# KiCad board pcb-rounded.kicad_pcb (continued)
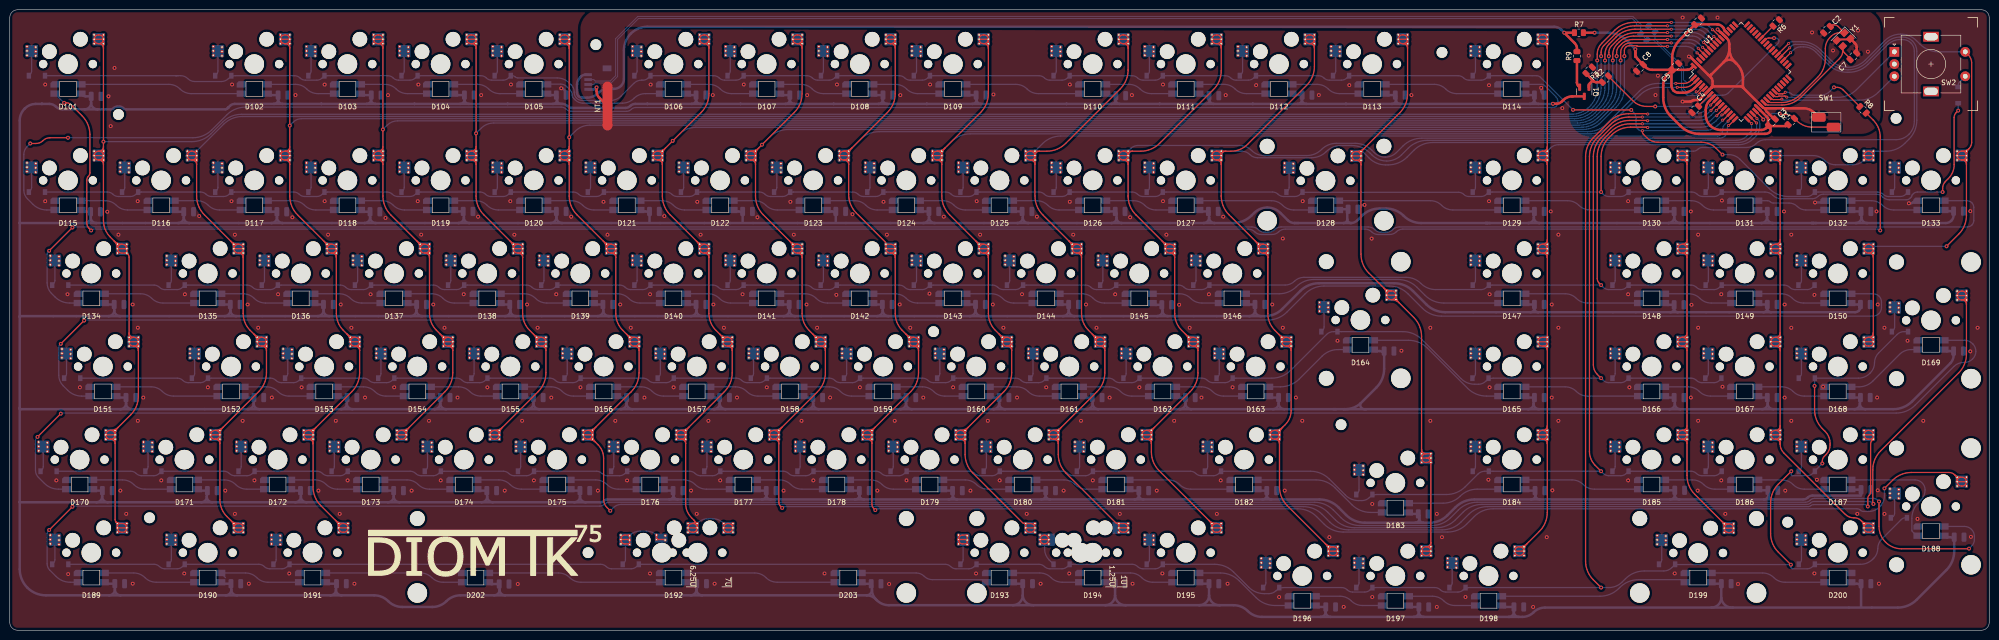
[diagram p0: board, top side]
## Routing (per net, layer and track width the routed paths; a pad name or vN(x,y) marks a point on that pad's centre or on a via; arc(x,y) is an arc through that point) (continued)
  Bottom w0.254: v2(339.8,120.21) 343.42,120.21 arc(344.14,120.07) 344.75,119.66 v2(345.3,119.11) ; MX92.1 140.58,21.89 arc(141.62,22.59) 142.84,22.83 143.72,22.83 arc(144.95,22.59) 145.99,21.89 MX92.1 ; v1(329.44,116.62) 329.42,116.61 arc(329.41,116.59) 329.41,116.57 329.41,111 arc(328.99,108.92) 327.81,107.15 325.19,104.53 arc(323.43,103.35) 321.34,102.94 140.3,102.94 arc(138.49,102.58) 136.96,101.55 v1(135.58,100.17)
COL7: length 614.8
  Top w0.254: U1.61 345.13,118.15 arc(345.11,118.17) 345.09,118.17 v2(345.06,118.17) ; 153.14,98.69 v1(153.83,99.38) 160.44,105.98 arc(161.62,107.75) 162.03,109.83 162.03,119.16 ; 153.14,98.69 arc(152.67,97.98) MX22.1 ; 153.14,98.69 arc(152.44,98.22) 151.61,98.05 ; 156.37,40.9 156.27,40.9 arc(155.63,40.64) MX77.1 ; 156.37,40.9 arc(157.2,41.07) 157.91,41.54 ; 156.37,40.9 arc(157.01,40.64) MX77.1 ; 157.91,41.54 165.2,48.83 arc(166.38,50.6) 166.79,52.68 166.79,57.25 ; 157.91,41.54 arc(157.43,40.83) MX77.1 ; 156.37,39.1 156.27,39.1 arc(155.63,39.36) MX77.1 ; 156.37,39.1 arc(157.01,38.84) 157.27,38.2 ; 156.37,39.1 arc(157.01,39.36) MX77.1 ; 162.03,76.3 162.03,64.84 arc(162.4,62.97) 163.46,61.38 164.26,60.59 ; 162.03,76.3 MX41.1 ; 162.03,76.3 arc(161.77,76.94) 161.13,77.2 ; 161.13,120.06 161.03,120.06 arc(160.39,120.33) MX7.1 ; 161.13,120.06 arc(161.77,120.33) MX7.1 ; 161.13,120.06 arc(161.77,119.8) 162.03,119.16 ; MX7.1 162.03,119.16 ; MX7.1 MX7.1 ; MX7.1 arc(161.77,121.6) 161.13,121.86 161.03,121.86 arc(160.39,121.6) MX7.1 ; 164.26,60.59 arc(164.73,59.88) MX58.1 ; 164.26,60.59 arc(164.96,60.12) 165.79,59.95 ; 151.61,98.05 151.51,98.05 arc(150.87,97.79) MX22.1 ; 151.61,98.05 arc(152.24,97.79) MX22.1 ; 165.79,59.95 165.89,59.95 arc(166.53,59.69) MX58.1 ; 165.79,59.95 arc(165.16,59.69) MX58.1 ; v1(330.2,117.51) 330.2,118.65 arc(330.27,119.03) 330.49,119.35 arc(330.81,119.56) 331.18,119.64 332.65,119.64 arc(332.73,119.62) 332.8,119.58 arc(332.87,119.53) 332.95,119.51 v2(339,119.51) ; v1(379.98,25.34) 379.98,26.96 arc(380.06,27.34) 380.27,27.65 arc(380.48,27.97) 380.56,28.34 380.56,38.16 arc(380.63,38.52) 380.83,38.82 ; MX77.1 MX77.1 ; MX77.1 157.27,38.2 ; MX58.1 166.79,57.25 ; MX58.1 MX58.1 ; MX58.1 arc(166.53,58.41) 165.89,58.15 ; 166.79,57.25 arc(166.53,57.89) 165.89,58.15 ; MX87.1 MX87.1 ; MX87.1 arc(379.47,39.36) 380.11,39.1 380.72,39.1 ; MX87.1 arc(379.47,40.64) 380.11,40.9 380.21,40.9 arc(380.84,40.64) MX87.1 ; MX87.1 381.11,39.49 ; 161.03,79 161.13,79 arc(161.77,78.74) MX41.1 ; 161.03,79 arc(160.2,79.17) 159.49,79.64 ; 161.03,79 arc(160.39,78.74) MX41.1 ; MX41.1 MX41.1 ; MX41.1 arc(161.77,77.46) 161.13,77.2 ; v1(157.96,25.03) 157.61,25.38 arc(157.36,25.76) 157.27,26.21 157.27,38.2 ; 161.13,77.2 161.03,77.2 arc(160.39,77.46) MX41.1 ; 151.61,96.25 151.51,96.25 arc(150.87,96.51) MX22.1 ; 151.61,96.25 arc(152.24,96.51) MX22.1 ; 151.61,96.25 arc(152.24,95.99) 152.51,95.35 ; 380.72,39.1 arc(380.99,39.21) 381.11,39.49 ; 380.72,39.1 arc(380.87,39) 380.83,38.82 ; 165.89,58.15 165.79,58.15 arc(165.16,58.41) MX58.1 ; 381.11,39.49 arc(381.03,39.13) 380.83,38.82 ; MX41.1 arc(159.97,78.93) 159.49,79.64 ; MX22.1 MX22.1 ; MX22.1 152.51,95.35 ; 152.51,95.35 152.51,88.88 arc(152.92,86.8) 154.1,85.03 159.49,79.64
  Bottom w0.254: v1(379.98,25.34) 379.79,25.53 arc(379.58,25.67) 379.33,25.72 368.85,25.72 arc(368.58,25.66) 368.35,25.51 arc(368.12,25.36) 367.85,25.31 302.2,25.31 arc(300.11,24.89) 298.35,23.71 296.77,22.14 arc(295.01,20.96) 292.93,20.54 273.81,20.54 arc(271.73,20.96) 269.96,22.14 268.39,23.71 arc(266.62,24.89) 264.54,25.31 158.42,25.31 arc(158.24,25.27) 158.09,25.17 v1(157.96,25.03) ; v2(339,119.51) 342.77,119.51 arc(343.65,119.34) 344.39,118.84 v2(345.06,118.17) ; v1(153.83,99.38) 155.39,100.93 arc(157.12,102.09) 159.15,102.49 321.69,102.49 arc(323.78,102.91) 325.54,104.09 328.61,107.15 arc(329.79,108.92) 330.2,111 v1(330.2,117.51)
COL8: length 575.8
  Top w0.254: MX42.1 MX42.1 ; MX42.1 179.18,78.84 ; MX42.1 arc(179.44,77.46) 180.08,77.2 180.18,77.2 ; MX42.1 181.08,76.3 ; MX42.1 arc(180.82,77.46) 180.18,77.2 ; MX42.1 arc(180.82,78.74) 180.18,79 179.34,79 ; MX59.1 MX59.1 ; MX59.1 arc(184.21,58.41) 184.84,58.15 184.94,58.15 ; MX59.1 arc(183.78,59.88) 183.31,60.59 ; MX59.1 arc(184.21,59.69) 184.84,59.95 ; MX59.1 185.84,57.25 ; MX59.1 arc(185.58,59.69) 184.94,59.95 184.84,59.95 ; MX59.1 arc(185.58,58.41) 184.94,58.15 ; U1.1 343.8,112.51 arc(343.16,112.08) 342.4,111.93 v2(340.72,111.93) ; 172.19,98.69 179.49,105.98 arc(180.67,107.75) 181.08,109.83 181.08,119.16 ; 172.19,98.69 arc(171.72,97.98) MX23.1 ; 172.19,98.69 arc(171.49,98.22) 170.66,98.05 ; 170.66,96.25 170.56,96.25 arc(169.92,96.51) MX23.1 ; 170.66,96.25 arc(171.29,96.51) MX23.1 ; 170.66,96.25 arc(171.29,95.99) 171.56,95.35 ; MX88.1 MX88.1 ; MX88.1 398.26,30.61 ; MX88.1 arc(398.52,29.77) 399.16,29.51 399.26,29.51 arc(399.89,29.77) MX88.1 ; MX88.1 arc(399.89,31.05) 399.26,31.31 398.95,31.31 ; 179.18,78.84 179.18,79.16 ; 179.18,78.84 arc(179.23,78.95) 179.34,79 ; 179.18,79.16 arc(179.23,79.05) 179.34,79 ; 179.18,79.16 arc(179.15,79.31) 179.07,79.44 173.15,85.36 arc(171.97,87.12) 171.56,89.21 171.56,95.35 ; MX78.1 176.32,38.2 ; MX78.1 MX78.1 ; MX78.1 arc(176.06,40.64) 175.42,40.9 ; MX78.1 arc(176.48,40.83) 176.96,41.54 ; MX78.1 arc(176.06,39.36) 175.42,39.1 ; 176.32,38.2 176.32,25.76 arc(176.41,25.31) 176.66,24.93 v1(177.01,24.59) ; 176.32,38.2 arc(176.06,38.84) 175.42,39.1 ; 185.84,57.25 185.84,52.68 arc(185.43,50.6) 184.25,48.83 176.96,41.54 ; 185.84,57.25 arc(185.58,57.89) 184.94,58.15 ; MX8.1 181.08,119.16 ; MX8.1 MX8.1 ; MX8.1 arc(180.82,121.6) 180.18,121.86 180.08,121.86 arc(179.44,121.6) MX8.1 ; MX8.1 arc(180.82,120.33) 180.18,120.06 ; 181.08,119.16 arc(180.82,119.8) 180.18,120.06 ; 175.42,39.1 175.32,39.1 arc(174.68,39.36) MX78.1 ; 171.56,95.35 MX23.1 ; 176.96,41.54 arc(176.25,41.07) 175.42,40.9 ; MX8.1 arc(179.44,120.33) 180.08,120.06 180.18,120.06 ; 398.95,31.31 arc(398.46,31.11) 398.26,30.61 ; 398.95,31.31 arc(398.31,31.44) 397.77,31.8 ; MX78.1 arc(174.68,40.64) 175.32,40.9 175.42,40.9 ; 184.84,59.95 arc(184.01,60.12) 183.31,60.59 ; 181.08,76.3 181.08,64.84 arc(181.45,62.97) 182.51,61.38 183.31,60.59 ; 181.08,76.3 arc(180.82,76.94) 180.18,77.2 ; MX23.1 MX23.1 ; MX23.1 arc(171.29,97.79) 170.66,98.05 ; v1(383.38,29.03) 385.04,30.7 arc(386.81,31.88) 388.89,32.29 396.58,32.29 arc(397.22,32.16) 397.77,31.8 ; 170.66,98.05 170.56,98.05 arc(169.92,97.79) MX23.1 ; 398.26,30.61 arc(398.13,31.26) 397.77,31.8
  Bottom w0.254: v1(177.01,24.59) 177.14,24.73 arc(177.29,24.83) 177.47,24.86 263.4,24.86 arc(265.48,24.45) 267.24,23.27 268.82,21.69 arc(270.58,20.51) 272.67,20.1 294.07,20.1 arc(296.15,20.51) 297.92,21.69 299.49,23.27 arc(301.26,24.45) 303.34,24.86 377.79,24.86 arc(378.15,24.79) 378.45,24.59 arc(378.75,24.39) 379.11,24.32 380.18,24.32 arc(381.4,24.56) 382.44,25.25 arc(383.14,26.29) 383.38,27.52 v1(383.38,29.03) ; MX23.1 173.96,100.45 arc(175.73,101.63) 177.81,102.05 322.7,102.05 arc(324.79,102.46) 326.55,103.64 333.23,110.32 arc(335,111.5) 337.08,111.92 340.7,111.92 arc(340.71,111.92) 340.72,111.92 v2(340.72,111.93)
COL9: length 336.1
  Top w0.254: 200.13,119.16 200.13,109.83 arc(199.72,107.75) 198.54,105.98 191.24,98.69 ; 200.13,119.16 MX9.1 ; 200.13,119.16 arc(199.87,119.8) 199.23,120.06 ; MX60.1 MX60.1 ; MX60.1 arc(203.26,59.69) 203.89,59.95 ; MX60.1 arc(203.26,58.41) 203.89,58.15 203.99,58.15 ; MX60.1 arc(202.83,59.88) 202.36,60.59 ; MX60.1 204.89,57.25 ; MX60.1 arc(204.63,58.41) 203.99,58.15 ; MX60.1 arc(204.63,59.69) 203.99,59.95 203.89,59.95 ; 189.71,96.25 189.61,96.25 arc(188.97,96.51) MX24.1 ; 189.71,96.25 arc(190.34,95.99) 190.61,95.35 ; 189.71,96.25 arc(190.34,96.51) MX24.1 ; 197.59,79.64 192.2,85.03 arc(191.02,86.8) 190.61,88.88 190.61,95.35 ; 197.59,79.64 arc(198.07,78.93) MX43.1 ; 197.59,79.64 arc(198.3,79.17) 199.13,79 ; MX24.1 190.61,95.35 ; MX24.1 MX24.1 ; MX24.1 arc(190.77,97.98) 191.24,98.69 ; MX24.1 arc(190.34,97.79) 189.71,98.05 ; 208,21.85 208.76,21.85 arc(209.39,21.59) MX93.1 ; 208,21.85 207.52,21.85 ; 208,21.85 arc(207.83,21.78) 207.76,21.61 ; MX43.1 MX43.1 ; MX43.1 arc(198.49,77.46) 199.13,77.2 199.23,77.2 ; MX43.1 arc(198.49,78.74) 199.13,79 ; MX43.1 200.13,76.3 ; MX43.1 arc(199.87,77.46) 199.23,77.2 ; MX43.1 arc(199.87,78.74) 199.23,79 199.13,79 ; 199.23,77.2 arc(199.87,76.94) 200.13,76.3 ; 199.23,120.06 199.13,120.06 arc(198.49,120.33) MX9.1 ; 199.23,120.06 arc(199.87,120.33) MX9.1 ; 195.37,38.2 195.37,36.01 arc(195.78,33.93) 196.96,32.16 207.1,22.02 arc(207.29,21.89) 207.52,21.85 ; 195.37,38.2 MX79.1 ; 195.37,38.2 arc(195.11,38.84) 194.47,39.1 ; MX79.1 MX79.1 ; MX79.1 arc(193.73,40.64) 194.37,40.9 194.47,40.9 ; MX79.1 arc(193.73,39.36) 194.37,39.1 194.47,39.1 ; MX79.1 arc(195.11,40.64) 194.47,40.9 ; MX79.1 arc(195.11,39.36) 194.47,39.1 ; MX79.1 arc(195.53,40.83) 196.01,41.54 ; 203.89,59.95 arc(203.06,60.12) 202.36,60.59 ; MX93.1 MX93.1 ; MX93.1 arc(209.39,20.31) 208.76,20.05 208.66,20.05 arc(208.02,20.31) MX93.1 ; MX93.1 207.76,21.61 ; 200.13,76.3 200.13,64.84 arc(200.5,62.97) 201.56,61.38 202.36,60.59 ; MX9.1 MX9.1 ; MX9.1 arc(199.87,121.6) 199.23,121.86 199.13,121.86 arc(198.49,121.6) MX9.1 ; 204.89,57.25 204.89,52.68 arc(204.48,50.6) 203.3,48.83 196.01,41.54 ; 204.89,57.25 arc(204.63,57.89) 203.99,58.15 ; 194.47,40.9 arc(195.3,41.07) 196.01,41.54 ; MX24.1 arc(188.97,97.79) 189.61,98.05 189.71,98.05 ; v2(341,111.11) 342.48,111.11 arc(343.4,111.3) 344.19,111.82 344.88,112.51 arc(344.9,112.53) 344.93,112.53 U1.2 ; 191.24,98.69 arc(190.54,98.22) 189.71,98.05 ; 207.52,21.85 arc(207.69,21.78) 207.76,21.61
  Bottom w0.254: v2(341,111.11) 340.99,111.12 arc(340.99,111.12) 340.98,111.13 337.22,111.13 arc(335.13,110.71) 333.37,109.53 327.04,103.2 arc(325.27,102.02) 323.19,101.6 196.41,101.6 arc(194.33,101.19) 192.57,100.01 MX24.1
COL10: length 328.8
  Top w0.254: 218.28,77.2 218.18,77.2 arc(217.54,77.46) MX44.1 ; 218.28,77.2 arc(218.92,76.94) 219.18,76.3 ; 218.28,77.2 arc(218.92,77.46) MX44.1 ; 223.94,57.25 223.94,52.68 arc(223.53,50.6) 222.35,48.83 215.06,41.54 ; 223.94,57.25 MX61.1 ; 223.94,57.25 arc(223.68,57.89) 223.04,58.15 ; 219.18,76.3 219.18,64.84 arc(219.55,62.97) 220.61,61.38 221.41,60.59 ; 219.18,76.3 MX44.1 ; 210.56,98.05 212.08,98.05 arc(214.17,98.46) 215.93,99.64 227.11,110.82 arc(228.29,112.59) 228.71,114.67 228.71,119.16 ; 210.56,98.05 208.76,98.05 ; 210.56,98.05 arc(209.92,97.79) MX25.1 ; MX80.1 MX80.1 ; MX80.1 arc(212.78,40.64) 213.42,40.9 213.52,40.9 ; MX80.1 arc(212.78,39.36) 213.42,39.1 213.52,39.1 ; MX80.1 214.42,38.2 ; MX80.1 arc(214.16,40.64) 213.52,40.9 ; MX80.1 arc(214.16,39.36) 213.52,39.1 ; MX80.1 arc(214.58,40.83) 215.06,41.54 ; 216.64,79.64 211.25,85.03 arc(210.07,86.8) 209.66,88.88 209.66,95.35 ; 216.64,79.64 arc(217.35,79.17) 218.18,79 ; 216.64,79.64 arc(217.12,78.93) MX44.1 ; MX25.1 MX25.1 ; MX25.1 arc(208.02,97.79) 208.66,98.05 208.76,98.05 ; MX25.1 arc(208.02,96.51) 208.66,96.25 208.76,96.25 ; MX25.1 209.66,95.35 ; MX25.1 arc(209.39,97.79) 208.76,98.05 ; MX25.1 arc(209.39,96.51) 208.76,96.25 ; 208.76,96.25 arc(209.39,95.99) 209.66,95.35 ; 227.05,21.85 227.81,21.85 arc(228.44,21.59) MX94.1 ; 227.05,21.85 226.57,21.85 ; 227.05,21.85 arc(226.88,21.78) 226.81,21.61 ; 214.42,38.2 214.42,36.01 arc(214.83,33.93) 216.01,32.16 226.15,22.02 arc(226.34,21.89) 226.57,21.85 ; 214.42,38.2 arc(214.16,38.84) 213.52,39.1 ; MX44.1 MX44.1 ; MX44.1 arc(218.92,78.74) 218.28,79 218.18,79 ; 221.41,60.59 arc(222.11,60.12) 222.94,59.95 ; 221.41,60.59 arc(221.88,59.88) MX61.1 ; U1.15 351.44,104.31 arc(351.42,104.28) 351.41,104.24 v2(351.41,104.2) ; 223.04,58.15 222.94,58.15 arc(222.31,58.41) MX61.1 ; 223.04,58.15 arc(223.68,58.41) MX61.1 ; 213.52,40.9 arc(214.35,41.07) 215.06,41.54 ; MX44.1 arc(217.54,78.74) 218.18,79 ; 227.81,120.06 227.71,120.06 arc(227.07,120.33) MX10.1 ; 227.81,120.06 arc(228.44,120.33) MX10.1 ; 227.81,120.06 arc(228.44,119.8) 228.71,119.16 ; 222.94,59.95 223.04,59.95 arc(223.68,59.69) MX61.1 ; 222.94,59.95 arc(222.31,59.69) MX61.1 ; MX10.1 228.71,119.16 ; MX10.1 MX10.1 ; MX10.1 arc(228.44,121.6) 227.81,121.86 227.71,121.86 arc(227.07,121.6) MX10.1 ; MX94.1 MX94.1 ; MX94.1 226.81,21.61 ; MX94.1 arc(227.07,20.31) 227.71,20.05 227.81,20.05 arc(228.44,20.31) MX94.1 ; 226.57,21.85 arc(226.74,21.78) 226.81,21.61 ; MX61.1 MX61.1
  Bottom w0.254: v2(351.41,104.2) 350.72,103.51 arc(350.38,103.01) 350.27,102.43 350.27,102.24 arc(350.18,101.82) 349.95,101.48 arc(349.6,101.24) 349.19,101.16 214.97,101.16 arc(212.93,100.76) 211.21,99.61 MX25.1
COL11: length 314.4
  Top w0.254: MX62.1 MX62.1 ; MX62.1 arc(241.36,59.69) 241.99,59.95 ; MX62.1 arc(241.36,58.41) 241.99,58.15 242.09,58.15 ; MX62.1 arc(240.93,59.88) 240.46,60.59 ; MX62.1 242.99,57.25 ; MX62.1 arc(242.73,58.41) 242.09,58.15 ; MX62.1 arc(242.73,59.69) 242.09,59.95 241.99,59.95 ; 238.23,76.3 238.23,64.84 arc(238.6,62.97) 239.66,61.38 240.46,60.59 ; 238.23,76.3 MX45.1 ; 238.23,76.3 arc(237.97,76.94) 237.33,77.2 ; 227.81,98.05 229.61,98.05 ; 227.81,98.05 227.71,98.05 arc(227.07,97.79) MX26.1 ; 227.81,98.05 arc(228.44,97.79) MX26.1 ; 229.61,98.05 231.28,98.05 arc(233.37,98.46) 235.13,99.64 246.16,110.67 arc(247.34,112.44) 247.76,114.52 247.76,119.16 ; 229.61,98.05 arc(228.97,97.79) MX26.1 ; MX11.1 247.76,119.16 ; MX11.1 MX11.1 ; MX11.1 arc(247.49,120.33) 246.86,120.06 ; MX11.1 arc(247.49,121.6) 246.86,121.86 246.76,121.86 arc(246.12,121.6) MX11.1 ; 247.76,119.16 arc(247.49,119.8) 246.86,120.06 ; v2(351.5,103.31) 351.54,103.31 arc(351.57,103.32) 351.6,103.34 U1.16 ; 237.33,77.2 237.23,77.2 arc(236.59,77.46) MX45.1 ; 237.33,77.2 arc(237.97,77.46) MX45.1 ; 237.23,79 237.33,79 arc(237.97,78.74) MX45.1 ; 237.23,79 arc(236.59,78.74) MX45.1 ; 237.23,79 arc(236.4,79.17) 235.69,79.64 ; MX45.1 MX45.1 ; MX45.1 arc(236.17,78.93) 235.69,79.64 ; 241.99,59.95 arc(241.16,60.12) 240.46,60.59 ; 232.57,40.9 232.47,40.9 arc(231.83,40.64) MX81.1 ; 232.57,40.9 arc(233.21,40.64) MX81.1 ; 232.57,40.9 arc(233.4,41.07) 234.11,41.54 ; MX81.1 MX81.1 ; MX81.1 arc(231.83,39.36) 232.47,39.1 232.57,39.1 ; MX81.1 233.47,38.2 ; MX81.1 arc(233.21,39.36) 232.57,39.1 ; MX81.1 arc(233.63,40.83) 234.11,41.54 ; 232.57,39.1 arc(233.21,38.84) 233.47,38.2 ; MX26.1 228.71,95.35 ; MX26.1 MX26.1 ; MX26.1 arc(228.44,96.51) 227.81,96.25 ; 228.71,95.35 228.71,88.88 arc(229.12,86.8) 230.3,85.03 235.69,79.64 ; 228.71,95.35 arc(228.44,95.99) 227.81,96.25 ; 245.22,22.49 235.06,32.64 arc(233.88,34.41) 233.47,36.49 233.47,38.2 ; 245.22,22.49 arc(245.69,21.78) MX95.1 ; 245.22,22.49 arc(245.92,22.02) 246.76,21.85 ; 227.81,96.25 227.71,96.25 arc(227.07,96.51) MX26.1 ; 234.11,41.54 241.4,48.83 arc(242.58,50.6) 242.99,52.68 242.99,57.25 ; 242.99,57.25 arc(242.73,57.89) 242.09,58.15 ; 246.76,21.85 246.86,21.85 arc(247.49,21.59) MX95.1 ; 246.76,21.85 arc(246.12,21.59) MX95.1 ; MX95.1 MX95.1 ; MX95.1 arc(246.12,20.31) 246.76,20.05 246.86,20.05 arc(247.49,20.31) MX95.1 ; 246.86,120.06 246.76,120.06 arc(246.12,120.33) MX11.1
  Bottom w0.254: v2(351.5,103.31) 351.39,103.2 arc(351.31,103.08) 351.28,102.94 351.28,102.33 arc(351.16,101.71) 350.81,101.19 arc(350.28,100.84) 349.66,100.72 288.77,100.72 arc(286.69,100.3) 284.92,99.12 283.58,97.78 arc(282.54,97.08) 281.3,96.84 arc(280.07,97.08) 279.03,97.78 278.56,98.25 arc(276.99,99.3) 275.15,99.66 271.3,99.66 arc(269.66,99.34) 268.27,98.41 arc(266.89,97.48) 265.25,97.16 256.47,97.16 arc(255.12,97.43) 253.98,98.19 arc(252.84,98.96) 251.49,99.22 230.71,99.22 arc(229.94,99.07) 229.29,98.64 MX26.1
COL12: length 299.9
  Top w0.254: 258.76,39.1 258.66,39.1 arc(258.03,39.36) MX82.1 ; 258.76,39.1 arc(259.4,39.36) MX82.1 ; 258.76,39.1 arc(259.4,38.84) 259.66,38.2 ; 256.28,79 256.38,79 arc(257.02,78.74) MX46.1 ; 256.28,79 arc(255.64,78.74) MX46.1 ; 256.28,79 arc(255.45,79.17) 254.74,79.64 ; MX82.1 259.66,38.2 ; MX82.1 MX82.1 ; MX82.1 arc(259.4,40.64) 258.76,40.9 ; MX82.1 arc(259.83,40.83) 260.3,41.54 ; 259.66,38.2 259.66,29.35 arc(260.08,27.27) 261.26,25.5 269.03,17.72 ; v2(356.24,103.7) 356.22,103.7 arc(356.2,103.7) 356.18,103.71 U1.17 ; 269.03,17.72 arc(269.74,17.25) 270.57,17.09 ; 269.03,17.72 arc(269.5,17.02) MX96.1 ; 261.04,59.95 261.14,59.95 arc(261.78,59.69) MX63.1 ; 261.04,59.95 arc(260.41,59.69) MX63.1 ; 261.04,59.95 arc(260.21,60.12) 259.51,60.59 ; MX82.1 arc(258.03,40.64) 258.66,40.9 258.76,40.9 ; MX12.1 266.81,119.16 ; MX12.1 MX12.1 ; MX12.1 arc(266.54,121.6) 265.91,121.86 265.81,121.86 arc(265.17,121.6) MX12.1 ; MX12.1 arc(266.54,120.33) 265.91,120.06 ; 266.81,119.16 266.81,115.37 arc(266.39,113.29) 265.21,111.52 253.15,99.46 arc(251.59,98.42) 249.75,98.05 248.66,98.05 ; 266.81,119.16 arc(266.54,119.8) 265.91,120.06 ; MX63.1 262.04,57.25 ; MX63.1 MX63.1 ; MX63.1 arc(261.78,58.41) 261.14,58.15 ; 262.04,57.25 262.04,44.97 arc(261.73,43.41) 260.85,42.09 260.3,41.54 ; 262.04,57.25 arc(261.78,57.89) 261.14,58.15 ; 261.14,58.15 261.04,58.15 arc(260.41,58.41) MX63.1 ; 246.86,96.25 246.76,96.25 arc(246.12,96.51) MX27.1 ; 246.86,96.25 arc(247.49,96.51) MX27.1 ; 246.86,96.25 arc(247.49,95.99) 247.76,95.35 ; 246.86,98.05 248.66,98.05 ; 246.86,98.05 246.76,98.05 arc(246.12,97.79) MX27.1 ; 246.86,98.05 arc(247.49,97.79) MX27.1 ; 248.66,98.05 arc(248.02,97.79) MX27.1 ; MX12.1 arc(265.17,120.33) 265.81,120.06 265.91,120.06 ; MX27.1 247.76,95.35 ; MX27.1 MX27.1 ; 247.76,95.35 247.76,88.88 arc(248.17,86.8) 249.35,85.03 254.74,79.64 ; 260.3,41.54 arc(259.59,41.07) 258.76,40.9 ; 254.74,79.64 arc(255.22,78.93) MX46.1 ; MX46.1 257.28,76.3 ; MX46.1 MX46.1 ; MX46.1 arc(257.02,77.46) 256.38,77.2 ; 257.28,76.3 257.28,64.84 arc(257.65,62.97) 258.71,61.38 259.51,60.59 ; 257.28,76.3 arc(257.02,76.94) 256.38,77.2 ; MX46.1 arc(255.64,77.46) 256.28,77.2 256.38,77.2 ; MX96.1 MX96.1 ; MX96.1 arc(269.93,16.82) 270.57,17.09 ; MX96.1 arc(269.93,15.55) 270.57,15.29 270.67,15.29 arc(271.31,15.55) MX96.1 ; MX96.1 arc(271.31,16.82) 270.67,17.09 270.57,17.09 ; MX63.1 arc(259.98,59.88) 259.51,60.59
  Bottom w0.254: MX27.1 251.98,98.05 arc(252.85,97.88) 253.59,97.38 arc(254.33,96.89) 255.2,96.72 266.21,96.72 arc(267.85,97.04) 269.23,97.97 arc(270.62,98.89) 272.26,99.22 274.39,99.22 arc(276.47,98.81) 278.23,97.63 278.56,97.3 arc(279.95,96.37) 281.59,96.04 arc(283.23,96.37) 284.63,97.3 286,98.68 arc(287.77,99.86) 289.85,100.27 353.17,100.27 arc(354.25,100.49) 355.16,101.09 355.97,101.91 arc(355.98,101.92) 355.99,101.92 arc(356,101.92) 356.01,101.93 356.12,102.03 arc(356.21,102.16) 356.24,102.31 v2(356.24,103.7)
COL13: length 251.6
  Top w0.254: MX83.1 MX83.1 ; MX83.1 289.62,36.14 ; MX83.1 arc(290.36,35.5) 289.72,35.24 ; MX83.1 290.62,17.99 ; MX83.1 arc(290.36,34.97) 289.72,35.24 ; U1.18 357.17,103.85 arc(357.19,103.84) 357.21,103.83 v2(357.24,103.83) ; 285.86,119.16 285.86,109.76 arc(285.44,107.68) 284.26,105.92 276.97,98.62 ; 285.86,119.16 MX13.1 ; 285.86,119.16 arc(285.59,119.8) 284.96,120.06 ; MX28.1 MX28.1 ; MX28.1 arc(274.69,97.72) 275.33,97.98 275.43,97.98 ; MX28.1 arc(274.69,96.45) 275.33,96.18 275.43,96.18 ; MX28.1 276.33,95.28 ; MX28.1 arc(276.5,97.92) 276.97,98.62 ; MX28.1 arc(276.07,97.72) 275.43,97.98 ; MX28.1 arc(276.07,96.45) 275.43,96.18 ; 276.33,95.28 276.33,76.97 arc(276.75,74.89) 277.93,73.12 280.94,70.11 ; 276.33,95.28 arc(276.07,95.92) 275.43,96.18 ; MX83.1 288.72,37.04 ; MX83.1 289.72,35.24 ; MX83.1 arc(288.98,34.6) 289.62,34.34 289.72,34.34 arc(290.36,34.6) MX83.1 ; MX83.1 arc(288.98,35.87) 289.62,36.14 ; 288.72,37.04 288.72,60.18 arc(288.3,62.26) 287.12,64.03 284.11,67.04 ; 288.72,37.04 arc(288.98,36.4) 289.62,36.14 ; 282.58,67.68 282.48,67.68 arc(281.84,67.94) MX64.1 ; 282.58,67.68 arc(283.41,67.51) 284.11,67.04 ; 282.58,67.68 arc(283.21,67.94) MX64.1 ; 290.62,17.99 MX97.1 ; 290.62,17.99 arc(290.36,17.35) 289.72,17.09 ; 289.72,17.09 289.62,17.09 arc(288.98,16.82) MX97.1 ; 289.72,17.09 arc(290.36,16.82) MX97.1 ; 280.94,70.11 arc(281.64,69.64) 282.48,69.48 ; 280.94,70.11 arc(281.41,69.41) MX64.1 ; 284.11,67.04 arc(283.64,67.74) MX64.1 ; 282.48,69.48 282.58,69.48 arc(283.21,69.21) MX64.1 ; 282.48,69.48 arc(281.84,69.21) MX64.1 ; 276.97,98.62 arc(276.26,98.15) 275.43,97.98 ; MX97.1 MX97.1 ; MX97.1 arc(288.98,15.55) 289.62,15.29 289.72,15.29 arc(290.36,15.55) MX97.1 ; MX13.1 MX13.1 ; MX13.1 arc(284.22,121.6) 284.86,121.86 284.96,121.86 arc(285.59,121.6) MX13.1 ; MX13.1 arc(284.22,120.33) 284.86,120.06 284.96,120.06 ; MX13.1 arc(285.59,120.33) 284.96,120.06 ; MX64.1 MX64.1
  Bottom w0.254: MX28.1 276.5,97.98 arc(276.65,97.95) 276.78,97.87 278.03,96.62 arc(279.55,95.61) 281.33,95.25 281.91,95.25 arc(283.99,95.66) 285.76,96.84 287.15,98.23 arc(288.91,99.41) 290.99,99.83 353.43,99.83 arc(354.8,100.1) 355.95,100.87 356.99,101.91 arc(357,101.92) 357,101.92 arc(357,101.92) 357.01,101.92 357.12,102.04 arc(357.21,102.17) 357.24,102.32 v2(357.24,103.83)
COL14: length 214.6
  Top w0.254: 313.53,39.1 313.43,39.1 arc(312.79,39.36) MX84.1 ; 313.53,39.1 arc(314.17,38.84) 314.43,38.2 ; 313.53,39.1 arc(314.17,39.36) MX84.1 ; MX65.1 MX65.1 ; MX65.1 arc(312.79,58.41) 313.43,58.15 313.69,58.15 ; MX65.1 arc(312.79,59.69) 313.43,59.95 314.28,59.95 arc(314.39,59.9) 314.43,59.79 ; 314.43,38.2 314.43,24.1 arc(314.02,22.02) 312.84,20.26 310.31,17.72 ; 314.43,38.2 MX84.1 ; v2(357.3,104.74) 357.3,104.8 arc(357.29,104.85) 357.26,104.89 U1.19 ; 314.43,95.35 314.43,79.9 ; 314.43,95.35 MX29.1 ; 314.43,95.35 arc(314.17,95.99) 313.53,96.25 ; 314.43,79.9 MX47.1 ; 314.43,79.9 arc(314.17,79.26) 313.53,79 ; MX29.1 314.43,98.95 ; MX29.1 MX29.1 ; MX29.1 arc(314.17,96.51) 313.53,96.25 ; MX29.1 arc(314.17,97.79) 313.53,98.05 ; 314.43,58.89 314.43,57.41 ; 314.43,58.89 314.43,59.48 ; 314.43,58.89 arc(314.21,58.37) 313.69,58.15 ; 314.43,57.41 314.43,41.8 ; 314.43,57.41 arc(314.21,57.93) 313.69,58.15 ; 314.43,98.95 314.43,119.16 ; 314.43,98.95 arc(314.17,98.31) 313.53,98.05 ; 310.31,17.72 arc(309.6,17.25) 308.77,17.09 ; 310.31,17.72 arc(309.83,17.02) MX98.1 ; 313.53,96.25 313.43,96.25 arc(312.79,96.51) MX29.1 ; 314.43,41.8 MX84.1 ; 314.43,41.8 arc(314.17,41.16) 313.53,40.9 ; MX84.1 MX84.1 ; MX84.1 arc(314.17,40.64) 313.53,40.9 ; 313.53,98.05 313.43,98.05 arc(312.79,97.79) MX29.1 ; MX47.1 314.43,76.3 ; MX47.1 MX47.1 ; MX47.1 arc(314.17,78.74) 313.53,79 ; MX47.1 arc(314.17,77.46) 313.53,77.2 ; 314.43,76.3 314.43,59.79 ; 314.43,76.3 arc(314.17,76.94) 313.53,77.2 ; MX14.1 314.43,119.16 ; MX14.1 MX14.1 ; MX14.1 arc(314.17,120.33) 313.53,120.06 ; MX14.1 arc(314.17,121.6) 313.53,121.86 313.43,121.86 arc(312.79,121.6) MX14.1 ; 314.43,119.16 arc(314.17,119.8) 313.53,120.06 ; MX14.1 arc(312.79,120.33) 313.43,120.06 313.53,120.06 ; 314.43,59.79 314.43,59.48 ; 314.43,59.79 314.43,59.48 ; MX84.1 arc(312.79,40.64) 313.43,40.9 313.53,40.9 ; 313.53,79 313.43,79 arc(312.79,78.74) MX47.1 ; 313.53,77.2 313.43,77.2 arc(312.79,77.46) MX47.1 ; 308.77,17.09 308.67,17.09 arc(308.03,16.82) MX98.1 ; 308.77,17.09 arc(309.41,16.82) MX98.1 ; MX98.1 MX98.1 ; MX98.1 arc(308.03,15.55) 308.67,15.29 308.77,15.29 arc(309.41,15.55) MX98.1
  Bottom w0.254: v2(357.3,104.74) 357.59,104.45 arc(357.81,104.13) 357.89,103.75 357.89,103.04 arc(357.68,102) 357.09,101.13 356.62,100.65 arc(355.22,99.71) 353.56,99.38 316.71,99.38 arc(315.84,99.21) 315.1,98.72 MX29.1
COL15: length 226.6
  Top w0.254: 342.11,39.1 342.01,39.1 arc(341.37,39.36) MX85.1 ; 342.11,39.1 arc(342.74,38.84) 343.01,38.2 ; 342.11,39.1 arc(342.74,39.36) MX85.1 ; 351.53,21.78 351.63,21.78 arc(352.27,21.52) MX99.1 ; 351.53,21.78 arc(350.7,21.95) 349.99,22.42 ; 351.53,21.78 arc(350.89,21.52) MX99.1 ; 342.11,58.15 342.01,58.15 arc(341.37,58.41) MX66.1 ; 342.11,58.15 arc(342.74,58.41) MX66.1 ; 342.11,58.15 arc(342.74,57.89) 343.01,57.25 ; MX48.1 343.01,76.3 ; MX48.1 MX48.1 ; MX48.1 343.01,79.9 ; MX48.1 arc(342.74,77.46) 342.11,77.2 ; MX48.1 arc(342.74,78.74) 342.11,79 ; 343.01,76.3 343.01,60.85 ; 343.01,76.3 arc(342.74,76.94) 342.11,77.2 ; 343.01,57.25 343.01,41.8 ; 343.01,57.25 MX66.1 ; 343.01,41.8 MX85.1 ; 343.01,41.8 arc(342.74,41.16) 342.11,40.9 ; 343.01,60.85 MX66.1 ; 343.01,60.85 arc(342.74,60.21) 342.11,59.95 ; v2(364.2,118.21) 364.2,118.21 arc(364.2,118.2) 364.2,118.2 U1.35 ; MX66.1 MX66.1 ; MX66.1 arc(341.37,59.69) 342.01,59.95 342.11,59.95 ; MX66.1 arc(342.74,59.69) 342.11,59.95 ; 342.11,77.2 342.01,77.2 arc(341.37,77.46) MX48.1 ; MX85.1 343.01,38.2 ; MX85.1 MX85.1 ; MX85.1 arc(342.74,40.64) 342.11,40.9 ; 342.11,79 342.01,79 arc(341.37,78.74) MX48.1 ; 342.11,79 arc(342.74,79.26) 343.01,79.9 ; 343.01,38.2 343.01,31.66 arc(343.42,29.58) 344.6,27.82 349.99,22.42 ; MX30.1 343.01,95.35 ; MX30.1 MX30.1 ; MX30.1 arc(342.74,97.79) 342.11,98.05 342.01,98.05 arc(341.37,97.79) MX30.1 ; MX30.1 arc(342.74,96.51) 342.11,96.25 ; 343.01,95.35 343.01,79.9 ; 343.01,95.35 arc(342.74,95.99) 342.11,96.25 ; 349.99,22.42 arc(350.47,21.72) MX99.1 ; 342.11,40.9 342.01,40.9 arc(341.37,40.64) MX85.1 ; 342.11,96.25 342.01,96.25 arc(341.37,96.51) MX30.1 ; MX99.1 MX99.1 ; MX99.1 arc(350.89,20.25) 351.53,19.98 351.63,19.98 arc(352.27,20.25) MX99.1
  Bottom w0.254: MX30.1 344.3,98.05 arc(344.8,98.15) 345.22,98.43 arc(345.64,98.71) 346.14,98.81 355.22,98.81 arc(356.26,99.02) 357.15,99.61 arc(358.04,100.2) 359.08,100.41 385.74,100.41 arc(387.18,100.7) 388.4,101.51 arc(389.21,102.73) 389.5,104.17 389.5,118.52 arc(389.32,119.44) 388.8,120.21 arc(388.02,120.73) 387.11,120.91 386.6,120.91 arc(385.21,120.64) 384.04,119.85 379.99,115.81 arc(378.23,114.63) 376.15,114.21 375.75,114.21 arc(373.67,114.63) 371.91,115.81 369.33,118.39 arc(368.19,119.15) 366.85,119.41 366.25,119.41 arc(365.46,119.26) 364.8,118.81 v2(364.2,118.21)
